# Altium PCB BMS_Slave_12S V0.1.PcbDoc (part 2 of 2)
Units mm, origin at the board's own origin, x right, y up, seen from the top; angles counter-clockwise.
Board outline 54 x 106.3 mm, 4 copper layers (Top Layer, Int1 (GND), Int2 (PWR), Bottom Layer), stack 1.56 mm thick; 199 components, 148 nets, 515 pads, 193 vias.
Unrouted connection lines stored in the file: 50.
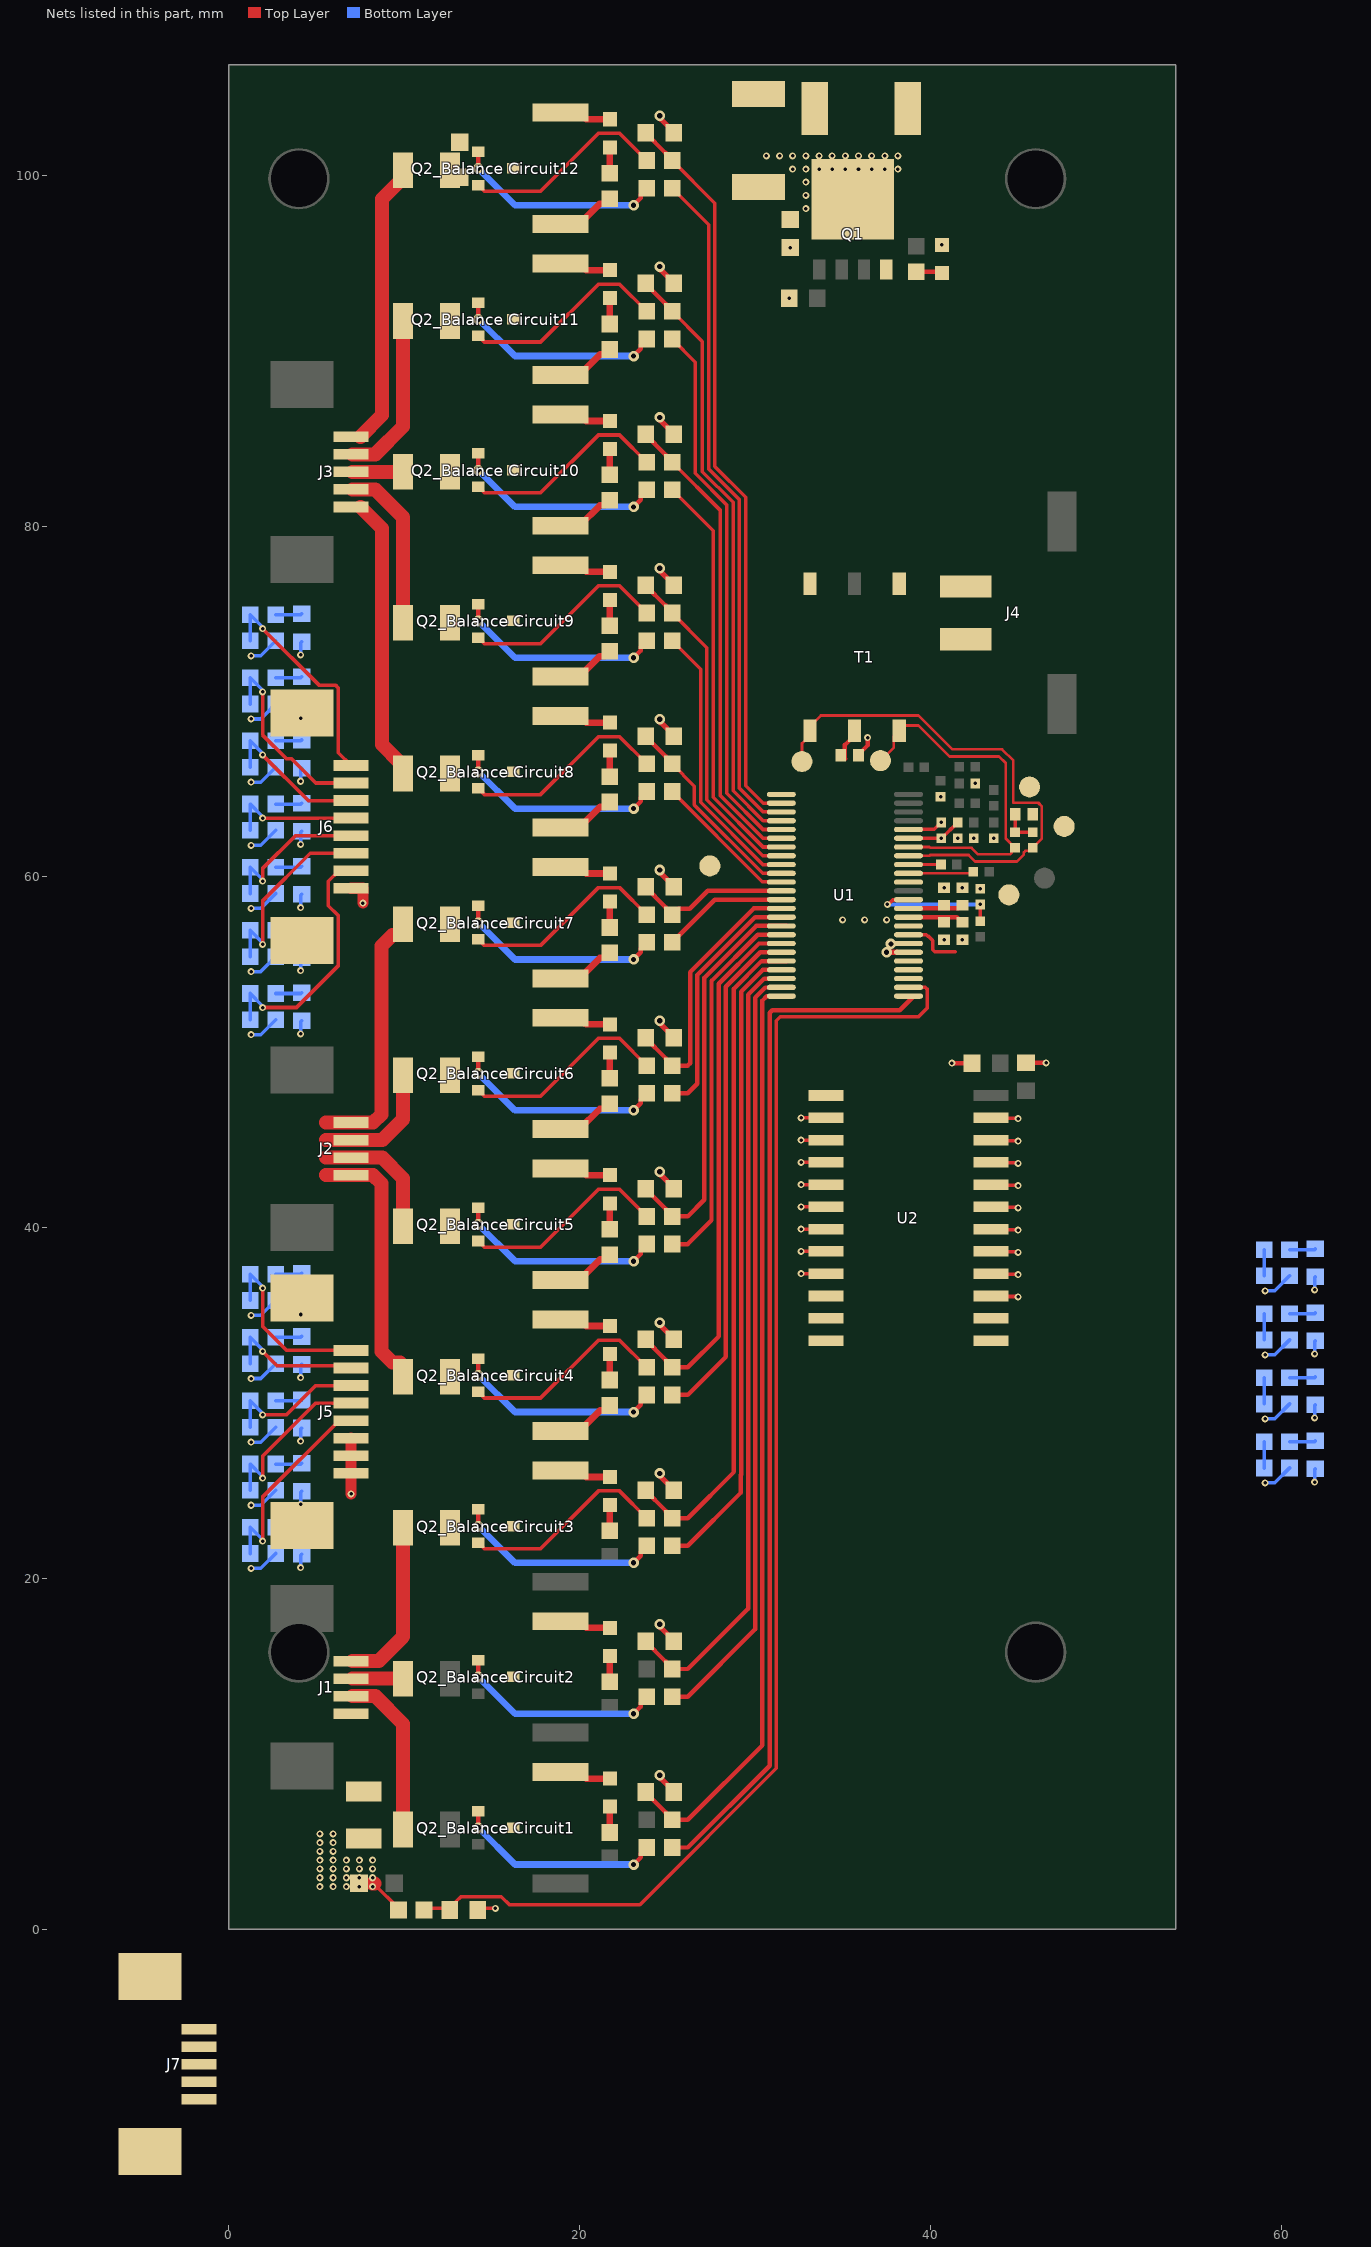
[diagram p4: the nets of this part, all layers, seen from the top]

## Via types
v1: diameter 0.4, hole 0.2, Top Layer to Bottom Layer, tented both sides, 155 vias
v2: diameter 0.6, hole 0.3, Top Layer to Bottom Layer, tented both sides, 38 vias

## Nets (pads, with @x,y where several pads share a name; then routed paths per layer and width w, separated by ;. In a path a pad name is that pad's centre, name@x,y a point inside that pad or via, vN(x,y) a via of type N, cw(c..) or ccw(c..) an arc to the next point about the centre after c; other vN are vias at no path point) (continued)
B4: "F2_Balance Circuit3.2" "Q2_Balance Circuit3.2" "R19_Balance Circuit3.1" "R21_Balance Circuit4.1" "R22_Balance Circuit4.1" | length 15.2
  Top Layer w0.203: 14.225,22.04 14.575,21.69 17.775,21.69 21.075,24.99 22.275,24.99 23.825,23.44
  Top Layer w0.381: 18.919,28.415 19.999,28.415 21.165,29.581 21.441,29.581 21.725,29.865
B5: "F2_Balance Circuit4.2" "Q2_Balance Circuit4.2" "R19_Balance Circuit4.1" "R21_Balance Circuit5.1" "R22_Balance Circuit5.1" | length 15.2
  Top Layer w0.203: 14.225,30.64 14.575,30.29 17.775,30.29 21.075,33.59 22.275,33.59 23.825,32.04
  Top Layer w0.381: 18.919,37.015 19.999,37.015 21.165,38.181 21.441,38.181 21.725,38.465
B6: "F2_Balance Circuit5.2" "Q2_Balance Circuit5.2" "R19_Balance Circuit5.1" "R21_Balance Circuit6.1" "R22_Balance Circuit6.1" | length 15.2
  Top Layer w0.203: 14.225,39.24 14.575,38.89 17.775,38.89 21.075,42.19 22.275,42.19 23.825,40.64
  Top Layer w0.381: 18.919,45.615 19.999,45.615 21.165,46.781 21.441,46.781 21.725,47.065
B7: "F2_Balance Circuit6.2" "Q2_Balance Circuit6.2" "R19_Balance Circuit6.1" "R21_Balance Circuit7.1" "R22_Balance Circuit7.1" | length 15.2
  Top Layer w0.203: 14.225,47.84 14.575,47.49 17.775,47.49 21.075,50.79 22.275,50.79 23.825,49.24
  Top Layer w0.381: 18.919,54.215 19.999,54.215 21.165,55.381 21.441,55.381 21.725,55.665
B8: "F2_Balance Circuit7.2" "Q2_Balance Circuit7.2" "R19_Balance Circuit7.1" "R21_Balance Circuit8.1" "R22_Balance Circuit8.1" | length 15.2
  Top Layer w0.203: 14.225,56.44 14.575,56.09 17.775,56.09 21.075,59.39 22.275,59.39 23.825,57.84
  Top Layer w0.381: 18.919,62.815 19.999,62.815 21.165,63.981 21.441,63.981 21.725,64.265
B9: "F2_Balance Circuit8.2" "Q2_Balance Circuit8.2" "R19_Balance Circuit8.1" "R21_Balance Circuit9.1" "R22_Balance Circuit9.1" | length 15.2
  Top Layer w0.203: 14.225,65.04 14.575,64.69 17.775,64.69 21.075,67.99 22.275,67.99 23.825,66.44
  Top Layer w0.381: 18.919,71.415 19.999,71.415 21.165,72.581 21.441,72.581 21.725,72.865
B10: "F2_Balance Circuit9.2" "Q2_Balance Circuit9.2" "R19_Balance Circuit9.1" "R21_Balance Circuit10.1" "R22_Balance Circuit10.1" | length 15.2
  Top Layer w0.203: 14.225,73.64 14.575,73.29 17.775,73.29 21.075,76.59 22.275,76.59 23.825,75.04
  Top Layer w0.381: 18.919,80.015 19.999,80.015 21.165,81.181 21.441,81.181 21.725,81.465
B11: "F2_Balance Circuit10.2" "Q2_Balance Circuit10.2" "R19_Balance Circuit10.1" "R21_Balance Circuit11.1" "R22_Balance Circuit11.1" | length 15.2
  Top Layer w0.203: 14.225,82.24 14.575,81.89 17.775,81.89 21.075,85.19 22.275,85.19 23.825,83.64
  Top Layer w0.381: 18.919,88.615 19.999,88.615 21.165,89.781 21.441,89.781 21.725,90.065
B12: "F2_Balance Circuit11.2" "Q2_Balance Circuit11.2" "R19_Balance Circuit11.1" "R21_Balance Circuit12.1" "R22_Balance Circuit12.1" | length 15.2
  Top Layer w0.203: 14.225,90.84 14.575,90.49 17.775,90.49 21.075,93.79 22.275,93.79 23.825,92.24
  Top Layer w0.381: 18.919,97.215 19.999,97.215 21.165,98.381 21.441,98.381 21.725,98.665
C0: C7.2 R9.2 U1.26 | length 77.6
  Top Layer w0.203: R9.2@11.125,1.2 12.675,1.2 12.973,1.498 12.973,1.598 13.236,1.861 15.539,1.861 16,1.4 23.439,1.4 31.213,9.174 31.213,51.8 31.432,52.019 39.319,52.019 39.829,52.529 39.829,53.581 39.71,53.7 U1.26@38.75,53.7
C1: "C8_Balance Circuit1.2" "R19_Balance Circuit1.2" U1.24 | length 52.8
  Top Layer w0.254: 23.769,7.828 23.769,7.803 24.902,6.67 24.902,6.613 25.275,6.24 26.165,6.24 30.426,10.501 30.426,52.951 30.666,53.191 31.491,53.191 U1.24@31.5,53.2
C2: "C8_Balance Circuit2.2" "R19_Balance Circuit2.2" U1.22 | length 45.5
  Top Layer w0.254: 23.769,16.428 23.769,16.403 24.902,15.27 24.902,15.213 25.275,14.84 26.165,14.84 29.613,18.288 29.613,53.288 30.525,54.2 U1.22@31.8,54.2
C3: "C8_Balance Circuit3.2" "R19_Balance Circuit3.2" U1.20 | length 38
  Top Layer w0.254: 23.769,25.028 23.769,25.003 24.902,23.87 24.902,23.813 25.275,23.44 26.165,23.44 28.8,26.075 28.8,53.624 30.376,55.2 U1.20@31.8,55.2
C4: "C8_Balance Circuit4.2" "R19_Balance Circuit4.2" U1.18 | length 30.5
  Top Layer w0.254: 23.769,33.628 23.769,33.603 24.902,32.47 24.902,32.413 25.275,32.04 26.165,32.04 27.926,33.801 27.926,53.899 30.226,56.2 U1.18@31.8,56.2
C5: "C8_Balance Circuit5.2" "R19_Balance Circuit5.2" U1.16 | length 23
  Top Layer w0.254: 23.769,42.228 23.769,42.203 24.902,41.07 24.902,41.013 25.275,40.64 26.165,40.64 27.113,41.588 27.113,54.236 30.077,57.2 U1.16@31.8,57.2
C6: "C8_Balance Circuit6.2" "R19_Balance Circuit6.2" U1.14 | length 15.5
  Top Layer w0.254: 23.769,50.828 23.769,50.803 24.902,49.67 24.902,49.613 25.275,49.24 26.165,49.24 26.3,49.375 26.3,54.573 29.927,58.2 U1.14@31.8,58.2
C7: "C8_Balance Circuit7.2" "R19_Balance Circuit7.2" U1.12 | length 9.3
  Top Layer w0.254: 23.769,59.428 23.769,59.403 24.902,58.27 24.902,58.213 25.275,57.84 25.623,58.188 26.288,58.188 27.3,59.2 U1.12@31.8,59.2
C8: "C8_Balance Circuit8.2" "R19_Balance Circuit8.2" U1.10 | length 11.9
  Top Layer w0.203: 25.275,66.44 26.544,65.171 26.544,64.099 30.443,60.2 U1.10@31.8,60.2
  Top Layer w0.254: 23.769,68.028 23.769,68.003 24.902,66.87 24.902,66.813 25.275,66.44
C9: "C8_Balance Circuit9.2" "R19_Balance Circuit9.2" U1.8 | length 19.5
  Top Layer w0.203: 25.275,75.04 27.256,73.059 27.256,64.393 30.449,61.2 U1.8@31.8,61.2
  Top Layer w0.254: 23.769,76.628 23.769,76.603 24.902,75.47 24.902,75.413 25.275,75.04
C10: "C8_Balance Circuit10.2" "R19_Balance Circuit10.2" U1.6 | length 27.1
  Top Layer w0.203: 25.275,83.64 28.03,80.885 28.03,64.625 30.454,62.2 U1.6@31.8,62.2
  Top Layer w0.254: 23.769,85.228 23.769,85.203 24.902,84.07 24.902,84.013 25.275,83.64
C11: "C8_Balance Circuit11.2" "R19_Balance Circuit11.2" U1.4 | length 34.7
  Top Layer w0.203: 25.275,92.24 27,90.515 27,83.103 28.754,81.349 28.754,81.346 28.756,81.344 28.756,64.905 30.46,63.2 U1.4@31.8,63.2
  Top Layer w0.254: 23.769,93.828 23.769,93.803 24.902,92.67 24.902,92.613 25.275,92.24
C12: "C8_Balance Circuit12.2" "R19_Balance Circuit12.2" U1.2 | length 42.3
  Top Layer w0.203: 25.275,100.84 27.711,98.404 27.711,83.397 29.467,81.642 29.467,65.199 30.466,64.2 U1.2@31.8,64.2
  Top Layer w0.254: 23.769,102.428 23.769,102.403 24.902,101.27 24.902,101.213 25.275,100.84
Drive: Q1.4 U1.38
GND: "C8_Balance Circuit1.1" "C8_Balance Circuit2.1" "C8_Balance Circuit3.1" "C8_Balance Circuit4.1" "C8_Balance Circuit5.1" "C8_Balance Circuit6.1" "C8_Balance Circuit7.1" "C8_Balance Circuit8.1" "C8_Balance Circuit9.1" "C8_Balance Circuit10.1" "C8_Balance Circuit11.1" "C8_Balance Circuit12.1" "C13_NTC Sense1.1" "C13_NTC Sense2.1" "C13_NTC Sense3.1" "C13_NTC Sense4.1" "C13_NTC Sense5.1" "C13_NTC Sense6.1" "C13_NTC Sense7.1" "C13_NTC Sense8.1" "C13_NTC Sense9.1" "C13_NTC Sense10.1" "C13_NTC Sense11.1" "C13_NTC Sense12.1" "C13_NTC Sense13.1" "C13_NTC Sense14.1" "C13_NTC Sense15.1" "C13_NTC Sense16.1" C1.1 C2.1 C3.1 C4.1 C5.1 C6.1 C7.1 C9.1 C10.1 C11.2 C12.1 D1.1 F1.2 J5.6 J5.7 J5.8 J5.S1 J5.S2 J6.8 J6.S1 J6.S2 J7.5 J7.S1 J7.S2 NT1.1 R6.1 R7.2 R9.1 R14.1 R15.1 R16.1 R17.1 U1.30 U1.31 U2.12 U2.15 | length 42.7
  Top Layer w0.203: v1@8.2,2.615 cw(c8.2,2.47) 8.302,2.573 R9.1@9.675,1.2 ; C7.1@14.2,1.2 v1(15.2,1.2) ; U2.15@43.45,36.105 43.478,36.077 44.973,36.077 v1(45,36.05)
  Top Layer w0.254: C10.1@35.9,66.925 35.9,66.975 36.416,67.491 v1(36.416,67.941) ; v1(41.225,49.375) C12.1@42.375,49.375 ; C11.2@45.45,49.4 v1(46.6,49.4)
  Top Layer w0.305: v2(24.575,8.79) 24.631,8.734 24.631,8.591 25.369,7.853 25.369,7.828 ; v2(24.575,17.39) 24.631,17.334 24.631,17.191 25.369,16.453 25.369,16.428 ; v2(24.575,25.99) 24.631,25.934 24.631,25.791 25.369,25.053 25.369,25.028 ; v2(24.575,34.59) 24.631,34.534 24.631,34.391 25.369,33.653 25.369,33.628 ; v2(24.575,43.19) 24.631,43.134 24.631,42.991 25.369,42.253 25.369,42.228 ; v2(24.575,51.79) 24.631,51.734 24.631,51.591 25.369,50.853 25.369,50.828 ; v2(24.575,60.39) 24.631,60.334 24.631,60.191 25.369,59.453 25.369,59.428 ; v2(24.575,68.99) 24.631,68.934 24.631,68.791 25.369,68.053 25.369,68.028 ; v2(24.575,77.59) 24.631,77.534 24.631,77.391 25.369,76.653 25.369,76.628 ; v2(24.575,86.19) 24.631,86.134 24.631,85.991 25.369,85.253 25.369,85.228 ; v2(24.575,94.79) 24.631,94.734 24.631,94.591 25.369,93.853 25.369,93.828 ; v2(24.575,103.39) 24.631,103.334 24.631,103.191 25.369,102.453 25.369,102.428 ; v2(37.5,55.7) U1.30@38.077,55.7 ; v2(37.75,56.175) 37.775,56.2 U1.31@39.05,56.2
  Top Layer w0.635: v1(6.975,24.825) J5.8@6.975,26 J5.7@6.975,27 J5.6@6.975,28 ; J6.8@6.975,59.35 7.638,59.35 7.65,59.338 v1(7.65,58.5)
  Top Layer w0.8: v1@8.2,2.615 8.302,2.615
  Bottom Layer w0.203: v1(4.1,20.625) 4.1,21.325 4.15,21.375 ; v1(4.1,24.225) 4.1,24.925 4.15,24.975 ; v1(4.1,27.825) 4.1,28.525 4.15,28.575 ; v1(4.1,31.45) 4.1,32.15 4.15,32.2 ; v1(4.1,35.05) 4.1,35.75 4.15,35.8 ; v1(4.1,51.05) 4.1,51.75 4.15,51.8 ; v1(4.1,54.65) 4.1,55.35 4.15,55.4 ; v1(4.1,58.25) 4.1,58.95 4.15,59 ; v1(4.1,61.85) 4.1,62.55 4.15,62.6 ; v1(4.1,65.45) 4.1,66.15 4.15,66.2 ; v1(4.1,69.05) 4.1,69.75 4.15,69.8 ; v1(4.1,72.65) 4.1,73.35 4.15,73.4 ; v1(61.9,25.5) 61.9,26.2 61.95,26.25 ; v1(61.9,29.15) 61.9,29.85 61.95,29.9 ; v1(61.9,32.8) 61.9,33.5 61.95,33.55 ; v1(61.9,36.45) 61.9,37.15 61.95,37.2
  other v1: 5.2,2.44 5.95,2.44 6.7,2.44 7.45,2.44 8.2,2.44 5.2,2.94 5.95,2.94 6.7,2.94 7.45,2.94 8.2,2.94 5.2,3.44 5.95,3.44 6.7,3.44 7.45,3.44 8.2,3.44 5.2,3.94 5.95,3.94 6.7,3.94 7.45,3.94 8.2,3.94 5.2,4.44 5.95,4.44 5.2,4.94 5.95,4.94 5.2,5.44 5.95,5.44 40.775,56.425 41.825,56.425 42.85,59.325 40.775,59.375 41.825,59.375 41.55,62.2 42.475,62.2 43.617,62.2 40.575,64.575 42.55,65.325 31.95,92.975 32,95.875 40.65,96.025
GPIO.1: U1.27 U2.10
GPIO.2: U1.28 U2.11
GPIO.3: U1.29 U2.14
GPIO.4: U1.32 U2.13 | length 3.1
  Top Layer w0.203: U1.32@39.05,56.7 39.751,56.7 39.847,56.604 39.892,56.604 40.129,56.367 40.129,55.84 40.248,55.721 41.419,55.721
IBIAS: R8.1 TP4.1 U1.44 | length 1.8
  Top Layer w0.203: U1.44@39.05,62.7 39.069,62.719 40.219,62.719 v1(40.625,63.125)
ICMP: R7.1 R8.2 TP5.1 U1.43 | length 2.9
  Top Layer w0.203: U1.43@39.05,62.2 39.063,62.213 R8.2@40.612,62.213 ; v1(40.625,62.2) 40.798,62.373 40.823,62.373 41.021,62.571 41.021,62.58 41.17,62.729 41.179,62.729 R7.1@41.55,63.1
ISOMD: R18.1 U1.40 | length 1.5
  Top Layer w0.152: U1.40@39.05,60.7 R18.1@40.6,60.7
isoSPI._N: R24.2 T1.4 TP7.1 U1.41 | length 29.2
  Top Layer w0.152: TP7.1@32.675,66.575 32.675,67.61 33.135,68.07 T1.4@33.135,68.325 33.135,68.58 33.755,69.2 39.325,69.2 41.256,67.269 44.081,67.269 44.725,66.625 44.725,64.225 46.148,64.225 46.355,64.018 46.355,62.18 R24.2@45.825,61.65 45.664,61.489 45.418,61.489 45.329,61.399 45.329,61.28 44.923,60.875 42.55,60.875 42.178,61.247 39.998,61.247 39.951,61.2 U1.41@39.05,61.2
isoSPI._P: R23.2 T1.6 TP6.1 U1.42 | length 20.1
  Top Layer w0.152: TP6.1@37.15,66.625 37.911,67.386 37.911,68.021 T1.6@38.215,68.325 ; T1.6@38.425,68.625 39.325,68.625 41.087,66.863 43.913,66.863 44.295,66.48 44.295,62.18 R23.2@44.825,61.65 44.626,61.451 44.626,61.371 44.537,61.281 42.718,61.281 42.347,61.653 39.998,61.653 39.951,61.7 U1.42@39.05,61.7
NetC1_2: C1.2 Q1.5 R1.1
  other v1: 32.9,98.1 32.9,98.85 32.9,99.6 32.15,100.35 32.9,100.35 33.65,100.35 34.4,100.35 35.15,100.35 35.9,100.35 36.65,100.35 37.4,100.35 38.15,100.35 30.65,101.1 31.4,101.1 32.15,101.1 32.9,101.1 33.65,101.1 34.4,101.1 35.15,101.1 35.9,101.1 36.65,101.1 37.4,101.1 38.15,101.1
NetC9_2: C9.2 R23.1 R24.1 | length 2
  Top Layer w0.203: C9.2@44.625,63.575 C9.2@44.638,63.562 ; C9.2@44.825,63.575 R23.1@44.825,62.55 R24.1@45.825,62.55
NetC10_2: C10.2 T1.5 | length 1.8
  Top Layer w0.254: C10.2@35.133,66.74 35.125,66.74 35.125,67.52 35.675,68.07 T1.5@35.675,68.325
NetD1_2: D1.2 R4.1 | length 1.5
  Top Layer w0.254: R4.1@39.2,94.5 40.575,94.5 D1.2@40.65,94.425
"NetD2_Balance Circuit1_1": "D2_Balance Circuit1.1" "R22_Balance Circuit1.2" | length 1.5
  Top Layer w0.381: 21.725,5.515 21.725,6.99
"NetD2_Balance Circuit1_2": "D2_Balance Circuit1.2" "Q2_Balance Circuit1.3" "R21_Balance Circuit1.2" | length 3
  Top Layer w0.381: 18.919,8.965 19.999,8.965 20.374,8.59 21.725,8.59
"NetD2_Balance Circuit2_1": "D2_Balance Circuit2.1" "R22_Balance Circuit2.2" | length 1.5
  Top Layer w0.381: 21.725,14.115 21.725,15.59
"NetD2_Balance Circuit2_2": "D2_Balance Circuit2.2" "Q2_Balance Circuit2.3" "R21_Balance Circuit2.2" | length 3
  Top Layer w0.381: 18.919,17.565 19.999,17.565 20.374,17.19 21.725,17.19
"NetD2_Balance Circuit3_1": "D2_Balance Circuit3.1" "R22_Balance Circuit3.2" | length 1.5
  Top Layer w0.381: 21.725,22.715 21.725,24.19
"NetD2_Balance Circuit3_2": "D2_Balance Circuit3.2" "Q2_Balance Circuit3.3" "R21_Balance Circuit3.2" | length 3
  Top Layer w0.381: 18.919,26.165 19.999,26.165 20.374,25.79 21.725,25.79
"NetD2_Balance Circuit4_1": "D2_Balance Circuit4.1" "R22_Balance Circuit4.2" | length 1.5
  Top Layer w0.381: 21.725,31.315 21.725,32.79
"NetD2_Balance Circuit4_2": "D2_Balance Circuit4.2" "Q2_Balance Circuit4.3" "R21_Balance Circuit4.2" | length 3
  Top Layer w0.381: 18.919,34.765 19.999,34.765 20.374,34.39 21.725,34.39
"NetD2_Balance Circuit5_1": "D2_Balance Circuit5.1" "R22_Balance Circuit5.2" | length 1.5
  Top Layer w0.381: 21.725,39.915 21.725,41.39
"NetD2_Balance Circuit5_2": "D2_Balance Circuit5.2" "Q2_Balance Circuit5.3" "R21_Balance Circuit5.2" | length 3
  Top Layer w0.381: 18.919,43.365 19.999,43.365 20.374,42.99 21.725,42.99
"NetD2_Balance Circuit6_1": "D2_Balance Circuit6.1" "R22_Balance Circuit6.2" | length 1.5
  Top Layer w0.381: 21.725,48.515 21.725,49.99
"NetD2_Balance Circuit6_2": "D2_Balance Circuit6.2" "Q2_Balance Circuit6.3" "R21_Balance Circuit6.2" | length 3
  Top Layer w0.381: 18.919,51.965 19.999,51.965 20.374,51.59 21.725,51.59
"NetD2_Balance Circuit7_1": "D2_Balance Circuit7.1" "R22_Balance Circuit7.2" | length 1.5
  Top Layer w0.381: 21.725,57.115 21.725,58.59
"NetD2_Balance Circuit7_2": "D2_Balance Circuit7.2" "Q2_Balance Circuit7.3" "R21_Balance Circuit7.2" | length 3
  Top Layer w0.381: 18.919,60.565 19.999,60.565 20.374,60.19 21.725,60.19
"NetD2_Balance Circuit8_1": "D2_Balance Circuit8.1" "R22_Balance Circuit8.2" | length 1.5
  Top Layer w0.381: 21.725,65.715 21.725,67.19
"NetD2_Balance Circuit8_2": "D2_Balance Circuit8.2" "Q2_Balance Circuit8.3" "R21_Balance Circuit8.2" | length 3
  Top Layer w0.381: 18.919,69.165 19.999,69.165 20.374,68.79 21.725,68.79
"NetD2_Balance Circuit9_1": "D2_Balance Circuit9.1" "R22_Balance Circuit9.2" | length 1.5
  Top Layer w0.381: 21.725,74.315 21.725,75.79
"NetD2_Balance Circuit9_2": "D2_Balance Circuit9.2" "Q2_Balance Circuit9.3" "R21_Balance Circuit9.2" | length 3
  Top Layer w0.381: 18.919,77.765 19.999,77.765 20.374,77.39 21.725,77.39
"NetD2_Balance Circuit10_1": "D2_Balance Circuit10.1" "R22_Balance Circuit10.2" | length 1.5
  Top Layer w0.381: 21.725,82.915 21.725,84.39
"NetD2_Balance Circuit10_2": "D2_Balance Circuit10.2" "Q2_Balance Circuit10.3" "R21_Balance Circuit10.2" | length 3
  Top Layer w0.381: 18.919,86.365 19.999,86.365 20.374,85.99 21.725,85.99
"NetD2_Balance Circuit11_1": "D2_Balance Circuit11.1" "R22_Balance Circuit11.2" | length 1.5
  Top Layer w0.381: 21.725,91.515 21.725,92.99
"NetD2_Balance Circuit11_2": "D2_Balance Circuit11.2" "Q2_Balance Circuit11.3" "R21_Balance Circuit11.2" | length 3
  Top Layer w0.381: 18.919,94.965 19.999,94.965 20.374,94.59 21.725,94.59
"NetD2_Balance Circuit12_1": "D2_Balance Circuit12.1" "R22_Balance Circuit12.2" | length 1.5
  Top Layer w0.381: 21.725,100.115 21.725,101.59
"NetD2_Balance Circuit12_2": "D2_Balance Circuit12.2" "Q2_Balance Circuit12.3" "R21_Balance Circuit12.2" | length 3
  Top Layer w0.381: 18.919,103.565 19.999,103.565 20.374,103.19 21.725,103.19
"NetQ2_Balance Circuit1_1": "Q2_Balance Circuit1.1" "R20_Balance Circuit1.1" | length 21.6
  Top Layer w0.254: v2(14.225,5.79) 14.225,6.74 ; v2(23.075,3.69) 23.484,4.099 23.484,4.324 23.825,4.665
  Bottom Layer w0.381: 16.325,3.69 23.018,3.69 16.325,3.69 ; 16.325,3.69 v2(14.225,5.79) 16.325,3.69
"NetQ2_Balance Circuit2_1": "Q2_Balance Circuit2.1" "R20_Balance Circuit2.1" | length 21.6
  Top Layer w0.254: v2(14.225,14.39) 14.225,15.34 ; v2(23.075,12.29) 23.484,12.699 23.484,12.924 23.825,13.265
  Bottom Layer w0.381: 16.325,12.29 v2(14.225,14.39) 16.325,12.29 ; 16.325,12.29 23.018,12.29 16.325,12.29
"NetQ2_Balance Circuit3_1": "Q2_Balance Circuit3.1" "R20_Balance Circuit3.1" | length 21.6
  Top Layer w0.254: v2(14.225,22.99) 14.225,23.94 ; v2(23.075,20.89) 23.484,21.299 23.484,21.524 23.825,21.865
  Bottom Layer w0.381: 16.325,20.89 v2(14.225,22.99) 16.325,20.89 ; 16.325,20.89 23.018,20.89 16.325,20.89
"NetQ2_Balance Circuit4_1": "Q2_Balance Circuit4.1" "R20_Balance Circuit4.1" | length 21.6
  Top Layer w0.254: v2(14.225,31.59) 14.225,32.54 ; v2(23.075,29.49) 23.484,29.899 23.484,30.124 23.825,30.465
  Bottom Layer w0.381: 16.325,29.49 23.018,29.49 16.325,29.49 ; 16.325,29.49 v2(14.225,31.59) 16.325,29.49
"NetQ2_Balance Circuit5_1": "Q2_Balance Circuit5.1" "R20_Balance Circuit5.1" | length 21.6
  Top Layer w0.254: v2(14.225,40.19) 14.225,41.14 ; v2(23.075,38.09) 23.484,38.499 23.484,38.724 23.825,39.065
  Bottom Layer w0.381: 16.325,38.09 23.018,38.09 16.325,38.09 ; 16.325,38.09 v2(14.225,40.19) 16.325,38.09
"NetQ2_Balance Circuit6_1": "Q2_Balance Circuit6.1" "R20_Balance Circuit6.1" | length 21.6
  Top Layer w0.254: v2(14.225,48.79) 14.225,49.74 ; v2(23.075,46.69) 23.484,47.099 23.484,47.324 23.825,47.665
  Bottom Layer w0.381: 16.325,46.69 23.018,46.69 16.325,46.69 ; 16.325,46.69 v2(14.225,48.79) 16.325,46.69
"NetQ2_Balance Circuit7_1": "Q2_Balance Circuit7.1" "R20_Balance Circuit7.1" | length 21.6
  Top Layer w0.254: v2(14.225,57.39) 14.225,58.34 ; v2(23.075,55.29) 23.484,55.699 23.484,55.924 23.825,56.265
  Bottom Layer w0.381: 16.325,55.29 23.018,55.29 16.325,55.29 ; 16.325,55.29 v2(14.225,57.39) 16.325,55.29
"NetQ2_Balance Circuit8_1": "Q2_Balance Circuit8.1" "R20_Balance Circuit8.1" | length 21.6
  Top Layer w0.254: v2(14.225,65.99) 14.225,66.94 ; v2(23.075,63.89) 23.484,64.299 23.484,64.524 23.825,64.865
  Bottom Layer w0.381: 16.325,63.89 23.018,63.89 16.325,63.89 ; 16.325,63.89 v2(14.225,65.99) 16.325,63.89
"NetQ2_Balance Circuit9_1": "Q2_Balance Circuit9.1" "R20_Balance Circuit9.1" | length 21.6
  Top Layer w0.254: v2(14.225,74.59) 14.225,75.54 ; v2(23.075,72.49) 23.484,72.899 23.484,73.124 23.825,73.465
  Bottom Layer w0.381: 16.325,72.49 v2(14.225,74.59) 16.325,72.49 ; 16.325,72.49 23.018,72.49 16.325,72.49
"NetQ2_Balance Circuit10_1": "Q2_Balance Circuit10.1" "R20_Balance Circuit10.1" | length 21.6
  Top Layer w0.254: v2(14.225,83.19) 14.225,84.14 ; v2(23.075,81.09) 23.484,81.499 23.484,81.724 23.825,82.065
  Bottom Layer w0.381: 16.325,81.09 v2(14.225,83.19) 16.325,81.09 ; 16.325,81.09 23.018,81.09 16.325,81.09
"NetQ2_Balance Circuit11_1": "Q2_Balance Circuit11.1" "R20_Balance Circuit11.1" | length 21.6
  Top Layer w0.254: v2(14.225,91.79) 14.225,92.74 ; v2(23.075,89.69) 23.484,90.099 23.484,90.324 23.825,90.665
  Bottom Layer w0.381: 16.325,89.69 v2(14.225,91.79) 16.325,89.69 ; 16.325,89.69 23.018,89.69 16.325,89.69
"NetQ2_Balance Circuit12_1": "Q2_Balance Circuit12.1" "R20_Balance Circuit12.1" | length 21.6
  Top Layer w0.254: v2(14.225,100.39) 14.225,101.34 ; v2(23.075,98.29) 23.484,98.699 23.484,98.924 23.825,99.265
  Bottom Layer w0.381: 16.325,98.29 23.018,98.29 16.325,98.29 ; 16.325,98.29 v2(14.225,100.39) 16.325,98.29
NetR3_1: R3.1 U1.1
NetR5_1: R5.1 R6.2 U1.36 | length 7.9
  Top Layer w0.203: v1(37.55,58.425) 37.603,58.425 37.86,58.681 39.031,58.681 U1.36@39.05,58.7 ; R5.1@42.85,57.475 v1(42.85,58.425)
  Bottom Layer w0.203: v1(37.55,58.425) 42.8,58.425 v1@42.838,58.463
NetU1_33: U1.33 U2.1
NTC1: "R25_NTC Sense1.1" "R26_NTC Sense1.2" J5.5 | length 12
  Top Layer w0.203: v1(1.925,22.125) 1.925,24.645 6.28,29 J5.5@6.975,29
  Bottom Layer w0.203: 1.225,21.425 1.225,22.925 1.887,22.263 1.887,22.163 v1(1.925,22.125)
NTC2: "R25_NTC Sense2.1" "R26_NTC Sense2.2" J5.4 | length 10.1
  Top Layer w0.203: v1(1.925,25.725) 1.925,26.975 4.95,30 J5.4@6.975,30
  Bottom Layer w0.203: 1.225,25.025 1.225,26.525 1.887,25.863 1.887,25.763 v1(1.925,25.725)
NTC3: "R25_NTC Sense3.1" "R26_NTC Sense3.2" J5.3 | length 8.3
  Top Layer w0.203: v1(1.925,29.325) 3.275,29.325 4.95,31 J5.3@6.975,31
  Bottom Layer w0.203: 1.225,28.625 1.225,30.125 1.887,29.463 1.887,29.363 v1(1.925,29.325)
NTC4: "R25_NTC Sense4.1" "R26_NTC Sense4.2" J5.2 | length 8
  Top Layer w0.203: v1(1.925,32.95) 2.75,32.125 6.85,32.125 J5.2@6.975,32
  Bottom Layer w0.203: 1.225,32.25 1.225,33.75 1.887,33.088 1.887,32.988 v1(1.925,32.95)
NTC5: "R25_NTC Sense5.1" "R26_NTC Sense5.2" J5.1 | length 10.4
  Top Layer w0.203: v1(1.925,36.55) 1.925,34.375 3.3,33 J5.1@6.975,33
  Bottom Layer w0.203: 1.225,35.85 1.225,37.35 1.887,36.688 1.887,36.588 v1(1.925,36.55)
NTC6: "R25_NTC Sense6.1" "R26_NTC Sense6.2" J6.7 | length 14.5
  Top Layer w0.203: v1(1.925,52.55) 3.864,52.55 6.229,54.915 6.229,57.805 5.675,58.359 5.675,59.745 6.28,60.35 J6.7@6.975,60.35
  Bottom Layer w0.203: 1.225,51.85 1.225,53.35 1.887,52.688 1.887,52.588 v1(1.925,52.55)
NTC7: "R25_NTC Sense7.1" "R26_NTC Sense7.2" J6.6 | length 11.2
  Top Layer w0.203: v1(1.925,56.15) 1.925,58.625 4.65,61.35 J6.6@6.975,61.35
  Bottom Layer w0.203: 1.225,55.45 1.225,56.95 1.887,56.288 1.887,56.188 v1(1.925,56.15)
NTC8: "R25_NTC Sense8.1" "R26_NTC Sense8.2" J6.5 | length 9.1
  Top Layer w0.203: v1(1.925,59.75) 1.925,60.475 3.8,62.35 J6.5@6.975,62.35
  Bottom Layer w0.203: 1.225,59.05 1.225,60.55 1.887,59.888 1.887,59.788 v1(1.925,59.75)
NTC9: "R25_NTC Sense9.1" "R26_NTC Sense9.2" J6.4 | length 7.6
  Top Layer w0.203: v1(1.925,63.35) J6.4@6.975,63.35
  Bottom Layer w0.203: 1.225,62.65 1.225,64.15 1.887,63.488 1.887,63.388 v1(1.925,63.35)
NTC10: "R25_NTC Sense10.1" "R26_NTC Sense10.2" J6.3 | length 8.7
  Top Layer w0.203: v1(1.925,66.95) 4.525,64.35 J6.3@6.975,64.35
  Bottom Layer w0.203: 1.225,66.25 1.225,67.75 1.887,67.088 1.887,66.988 v1(1.925,66.95)
NTC11: "R25_NTC Sense11.1" "R26_NTC Sense11.2" J6.2 | length 11.2
  Top Layer w0.203: v1(1.925,70.55) 1.925,68.091 3.292,66.724 3.576,66.724 4.95,65.35 J6.2@6.975,65.35
  Bottom Layer w0.203: 1.225,69.85 1.225,71.35 1.887,70.688 1.887,70.588 v1(1.925,70.55)
NTC12: "R25_NTC Sense12.1" "R26_NTC Sense12.2" J6.1 | length 13
  Top Layer w0.203: v1(1.925,74.15) 5.141,70.934 6.08,70.934 6.25,70.764 6.25,67.075 J6.1@6.975,66.35
  Bottom Layer w0.203: 1.225,73.45 1.225,74.95 1.887,74.288 1.887,74.188 v1(1.925,74.15)
NTC13: "R25_NTC Sense13.1" "R26_NTC Sense13.2" J7.4 | length 1.5
  Bottom Layer w0.203: 59.025,26.3 59.025,27.8
NTC14: "R25_NTC Sense14.1" "R26_NTC Sense14.2" J7.3 | length 1.5
  Bottom Layer w0.203: 59.025,29.95 59.025,31.45
NTC15: "R25_NTC Sense15.1" "R26_NTC Sense15.2" J7.2 | length 1.5
  Bottom Layer w0.203: 59.025,33.6 59.025,35.1
NTC16: "R25_NTC Sense16.1" "R26_NTC Sense16.2" J7.1 | length 1.5
  Bottom Layer w0.203: 59.025,37.25 59.025,38.75
Out1: "C13_NTC Sense1.2" "R26_NTC Sense1.1" U2.9 | length 2.9
  Top Layer w0.203: v1(32.628,37.375) U2.9@34.05,37.375
  Bottom Layer w0.203: 2.675,22.925 4.1,22.925 4.15,22.975
Out2: "C13_NTC Sense2.2" "R26_NTC Sense2.1" U2.8 | length 2.9
  Top Layer w0.203: v1(32.628,38.645) U2.8@34.05,38.645
  Bottom Layer w0.203: 2.675,26.525 4.1,26.525 4.15,26.575
Out3: "C13_NTC Sense3.2" "R26_NTC Sense3.1" U2.7 | length 2.9
  Top Layer w0.203: v1(32.628,39.915) U2.7@34.05,39.915
  Bottom Layer w0.203: 2.675,30.125 4.1,30.125 4.15,30.175
Out4: "C13_NTC Sense4.2" "R26_NTC Sense4.1" U2.6 | length 2.9
  Top Layer w0.203: v1(32.628,41.185) U2.6@34.05,41.185
  Bottom Layer w0.203: 2.675,33.75 4.1,33.75 4.15,33.8
Out5: "C13_NTC Sense5.2" "R26_NTC Sense5.1" U2.5 | length 2.9
  Top Layer w0.203: v1(32.628,42.455) U2.5@34.05,42.455
  Bottom Layer w0.203: 2.675,37.35 4.1,37.35 4.15,37.4
Out6: "C13_NTC Sense6.2" "R26_NTC Sense6.1" U2.4 | length 2.9
  Top Layer w0.203: v1(32.628,43.725) U2.4@34.05,43.725
  Bottom Layer w0.203: 2.675,53.35 4.1,53.35 4.15,53.4
Out7: "C13_NTC Sense7.2" "R26_NTC Sense7.1" U2.3 | length 2.9
  Top Layer w0.203: v1(32.628,44.995) U2.3@34.05,44.995
  Bottom Layer w0.203: 2.675,56.95 4.1,56.95 4.15,57
Out8: "C13_NTC Sense8.2" "R26_NTC Sense8.1" U2.2 | length 2.9
  Top Layer w0.203: v1(32.628,46.265) U2.2@34.05,46.265
  Bottom Layer w0.203: 2.675,60.55 4.1,60.55 4.15,60.6
Out9: "C13_NTC Sense9.2" "R26_NTC Sense9.1" U2.23 | length 3.1
  Top Layer w0.203: U2.23@43.45,46.265 43.478,46.237 44.973,46.237 v1(45,46.21)
  Bottom Layer w0.203: 2.675,64.15 4.1,64.15 4.15,64.2
Out10: "C13_NTC Sense10.2" "R26_NTC Sense10.1" U2.22 | length 3.1
  Top Layer w0.203: U2.22@43.45,44.995 43.478,44.967 44.973,44.967 v1(45,44.94)
  Bottom Layer w0.203: 2.675,67.75 4.1,67.75 4.15,67.8
Out11: "C13_NTC Sense11.2" "R26_NTC Sense11.1" U2.21 | length 3.1
  Top Layer w0.203: U2.21@43.45,43.725 43.478,43.697 44.973,43.697 v1(45,43.67)
  Bottom Layer w0.203: 2.675,71.35 4.1,71.35 4.15,71.4
Out12: "C13_NTC Sense12.2" "R26_NTC Sense12.1" U2.20 | length 3.1
  Top Layer w0.203: U2.20@43.45,42.455 43.478,42.427 44.973,42.427 v1(45,42.4)
  Bottom Layer w0.203: 2.675,74.95 4.1,74.95 4.15,75
Out13: "C13_NTC Sense13.2" "R26_NTC Sense13.1" U2.19 | length 3.1
  Top Layer w0.203: U2.19@43.45,41.185 43.478,41.157 44.973,41.157 v1(45,41.13)
  Bottom Layer w0.203: 60.475,27.8 61.9,27.8 61.95,27.85
Out14: "C13_NTC Sense14.2" "R26_NTC Sense14.1" U2.18 | length 3.1
  Top Layer w0.203: U2.18@43.45,39.915 43.478,39.887 44.973,39.887 v1(45,39.86)
  Bottom Layer w0.203: 60.475,31.45 61.9,31.45 61.95,31.5
Out15: "C13_NTC Sense15.2" "R26_NTC Sense15.1" U2.17 | length 3.1
  Top Layer w0.203: U2.17@43.45,38.645 43.478,38.617 44.973,38.617 v1(45,38.59)
  Bottom Layer w0.203: 60.475,35.1 61.9,35.1 61.95,35.15
Out16: "C13_NTC Sense16.2" "R26_NTC Sense16.1" U2.16 | length 3.1
  Top Layer w0.203: U2.16@43.45,37.375 43.478,37.347 44.973,37.347 v1(45,37.32)
  Bottom Layer w0.203: 60.475,38.75 61.9,38.75 61.95,38.8
PORTA_N: J4.1 T1.3
PORTA_P: J4.2 T1.1
S1: "R20_Balance Circuit1.2" U1.25 | length 59
  Top Layer w0.254: 25.275,4.665 26.165,4.665 30.832,9.332 30.832,52.251 30.981,52.4 38.25,52.4 U1.25@39.05,53.2
S2: "R20_Balance Circuit2.2" U1.23 | length 44.4
  Top Layer w0.254: 25.275,13.265 26.165,13.265 30.019,17.119 30.019,53.119 30.591,53.691 31.791,53.691 U1.23@31.8,53.7
S3: "R20_Balance Circuit3.2" U1.21 | length 36.8
  Top Layer w0.254: 25.275,21.865 26.165,21.865 29.2,24.9 29.2,25.9 29.206,25.907 29.206,53.456 30.451,54.7 U1.21@31.8,54.7
S4: "R20_Balance Circuit4.2" U1.19 | length 29.3
  Top Layer w0.254: 25.275,30.465 26.165,30.465 28.332,32.632 28.332,53.731 30.301,55.7 U1.19@31.8,55.7
S5: "R20_Balance Circuit5.2" U1.17 | length 21.8
  Top Layer w0.254: 25.275,39.065 26.165,39.065 27.519,40.419 27.519,54.068 30.152,56.7 U1.17@31.8,56.7
S6: "R20_Balance Circuit6.2" U1.15 | length 14.3
  Top Layer w0.254: 25.275,47.665 26.165,47.665 26.706,48.206 26.706,54.404 30.002,57.7 U1.15@31.8,57.7
S7: "R20_Balance Circuit7.2" U1.13 | length 7.5
  Top Layer w0.254: 25.275,56.265 27.71,58.7 U1.13@31.8,58.7
S8: "R20_Balance Circuit8.2" U1.11 | length 8.7
  Top Layer w0.203: 25.276,64.864 30.422,59.719 31.781,59.719 U1.11@31.8,59.7
S9: "R20_Balance Circuit9.2" U1.9 | length 16.3
  Top Layer w0.203: 25.275,73.465 26.9,71.84 26.9,64.246 30.446,60.7 U1.9@31.8,60.7
S10: "R20_Balance Circuit10.2" U1.7 | length 23.9
  Top Layer w0.203: 25.275,82.065 27.611,79.729 27.611,64.54 30.452,61.7 U1.7@31.8,61.7
S11: "R20_Balance Circuit11.2" U1.5 | length 31.5
  Top Layer w0.203: 25.275,90.665 26.6,89.34 26.6,83 28.398,81.202 28.398,64.759 30.457,62.7 U1.5@31.8,62.7
S12: "R20_Balance Circuit12.2" U1.3 | length 39.1
  Top Layer w0.203: 25.275,99.265 27.356,97.184 27.356,83.25 29.111,81.495 29.111,65.052 30.463,63.7 U1.3@31.8,63.7
T12: "F2_Balance Circuit12.2" "Q2_Balance Circuit12.2" "R19_Balance Circuit12.1" NT2.1 | length 11.8
  Top Layer w0.203: 14.225,99.44 14.575,99.09 17.775,99.09 21.075,102.39 22.275,102.39 23.825,100.84
VBat: NT2.2 R1.2 R3.2
Vc0: F1.1 J1.4
Vc1: "F2_Balance Circuit1.1" J1.3 | length 9.6
  Top Layer w0.8: J1.3@7.05,13.29 8.35,13.29 9.94,11.7 9.94,5.69
Vc2: "F2_Balance Circuit2.1" J1.2 | length 2.9
  Top Layer w0.8: J1.2@7.05,14.29 9.94,14.29
Vc3: "F2_Balance Circuit3.1" J1.1 | length 9.7
  Top Layer w0.8: J1.1@7.05,15.29 8.55,15.29 9.94,16.68 9.94,22.89
Vc4: "F2_Balance Circuit4.1" J2.4 | length 14.9
  Top Layer w0.8: 5.55,42.99 8.231,42.99 8.7,42.521 8.7,32.93 9.325,32.305 9.77,32.305 9.94,32.135 9.94,31.69
Vc5: "F2_Balance Circuit5.1" J2.3 | length 7.4
  Top Layer w0.8: 5.55,43.99 8.75,43.99 9.94,42.8 9.94,40.29
Vc6: "F2_Balance Circuit6.1" J2.2 | length 7.4
  Top Layer w0.8: 5.55,44.99 8.75,44.99 9.94,46.18 9.94,48.69
Vc7: "F2_Balance Circuit7.1" J2.1 | length 14.9
  Top Layer w0.8: 5.55,45.99 8.231,45.99 8.7,46.459 8.7,56.05 9.325,56.675 9.77,56.675 9.94,56.845 9.94,57.29
Vc8: "F2_Balance Circuit8.1" J3.5 | length 16.2
  Top Layer w0.8: J3.5@7.503,81.09 8.738,79.855 8.738,67.537 9.77,66.505 9.77,66.06 9.94,65.89
Vc9: "F2_Balance Circuit9.1" J3.4 | length 9.6
  Top Layer w0.8: J3.4@7.05,82.09 8.35,82.09 9.94,80.5 9.94,74.49
Vc10: "F2_Balance Circuit10.1" J3.3 | length 2.9
  Top Layer w0.8: J3.3@7.05,83.09 9.94,83.09
Vc11: "F2_Balance Circuit11.1" J3.2 | length 9.6
  Top Layer w0.8: J3.2@7.05,84.09 8.35,84.09 9.94,85.68 9.94,91.69
Vc12: "F2_Balance Circuit12.1" J3.1 | length 16.2
  Top Layer w0.8: J3.1@7.503,85.09 8.738,86.325 8.738,98.643 9.77,99.675 9.77,100.12 9.94,100.29
VREF1: C2.2 C3.2 TP1.1 U1.35 | length 2.8
  Top Layer w0.254: U1.35@39.05,58.2 41.6,58.2 41.775,58.375 C3.2@41.825,58.375
VREF2: "R25_NTC Sense1.2" "R25_NTC Sense2.2" "R25_NTC Sense3.2" "R25_NTC Sense4.2" "R25_NTC Sense5.2" "R25_NTC Sense6.2" "R25_NTC Sense7.2" "R25_NTC Sense8.2" "R25_NTC Sense9.2" "R25_NTC Sense10.2" "R25_NTC Sense11.2" "R25_NTC Sense12.2" "R25_NTC Sense13.2" "R25_NTC Sense14.2" "R25_NTC Sense15.2" "R25_NTC Sense16.2" C4.2 C5.2 TP2.1 U1.34 | length 30.9
  Top Layer w0.254: U1.34@39.05,57.7 41.506,57.7 41.602,57.604 41.602,57.598 41.775,57.425 C5.2@41.825,57.425
  Bottom Layer w0.203: v1(1.275,20.575) 1.825,20.575 2.675,21.425 ; v1(1.275,24.175) 1.825,24.175 2.675,25.025 ; v1(1.275,27.775) 1.825,27.775 2.675,28.625 ; v1(1.275,31.4) 1.825,31.4 2.675,32.25 ; v1(1.275,35) 1.825,35 2.675,35.85 ; v1(1.275,51) 1.825,51 2.675,51.85 ; v1(1.275,54.6) 1.825,54.6 2.675,55.45 ; v1(1.275,58.2) 1.825,58.2 2.675,59.05 ; v1(1.275,61.8) 1.825,61.8 2.675,62.65 ; v1(1.275,65.4) 1.825,65.4 2.675,66.25 ; v1(1.275,69) 1.825,69 2.675,69.85 ; v1(1.275,72.6) 1.825,72.6 2.675,73.45 ; v1(59.075,25.45) 59.625,25.45 60.475,26.3 ; v1(59.075,29.1) 59.625,29.1 60.475,29.95 ; v1(59.075,32.75) 59.625,32.75 60.475,33.6 ; v1(59.075,36.4) 59.625,36.4 60.475,37.25
  other v1: 35,57.55 36.25,57.55 37.5,57.55
WDT: R2.1 U1.39 | length 3.4
  Top Layer w0.152: U1.39@39.05,60.2 40.227,60.2 40.23,60.196 42.346,60.196 R2.1@42.45,60.3
pads on no net: J1.S1 J1.S2 J2.S1 J2.S2 J3.S1 J3.S2 J4.P1 J4.P2 T1. T1.2

## Polygon pours and split planes (outlines as drawn)
GND on Top Layer "NONET_L-01_P-001" (solid, remove dead copper, pour order 62): 4.7,6.025 8.95,6.025 8.95,2.025 4.7,2.025
"NetD2_Balance Circuit3_2" on Top Layer "NONET_L-01_P-001" (solid, remove dead copper, pour order 34): 15.575,22.59 17.975,22.59 20.575,25.19 20.575,26.89 16.275,26.89 15.575,26.19
B4 on Top Layer "Top Layer-B4" (solid, remove dead copper, pour order 67): 11.975,21.69 14.575,21.69 14.575,22.39 14.175,22.39 13.675,22.89 13.675,24.29 16.275,26.89 20.575,26.89 20.575,28.99 14.375,28.99 11.975,26.59 11.975,23.99
NetC1_2 on Top Layer "Top Layer-NetC9_2" (solid, remove dead copper, pour order 66): 33.15,96.35 38.15,96.35 38.15,96.85 38.65,97.35 38.65,101.6 30.225,101.6 28.7,100.075 28.7,98.575 31.35,98.575 31.35,96.85 33.15,96.85
VBat on Top Layer "NONET_L-01_P-001" (solid, remove dead copper, pour order 64): 26.525,101.975 34.4,101.975 34.4,106.3 12.523,106.3 12.523,101.39 13.675,101.39 16.275,104.29 26.525,104.29
VREF2 on Top Layer "NONET_L-01_P-001" (solid, remove dead copper, pour order 63): 34.25,57.05 39.5,57.05 39.5,58.05 34.25,58.05
"NetD2_Balance Circuit8_2" on Top Layer "NONET_L-01_P-001" (solid, remove dead copper, pour order 29): 15.575,65.59 17.975,65.59 20.575,68.19 20.575,69.89 16.275,69.89 15.575,69.19
B3 on Top Layer "NONET_L-01_P-001" (solid, remove dead copper, pour order 44): 11.975,15.39 11.975,13.09 14.575,13.09 14.575,13.79 14.175,13.79 13.675,14.29 13.675,15.39
B10 on Top Layer "NONET_L-01_P-001" (solid, remove dead copper, pour order 45): 11.975,75.59 11.975,73.29 14.575,73.29 14.575,73.99 14.175,73.99 13.675,74.49 13.675,75.59
B9 on Top Layer "NONET_L-01_P-001" (solid, remove dead copper, pour order 47): 11.975,66.99 11.975,64.69 14.575,64.69 14.575,65.39 14.175,65.39 13.675,65.89 13.675,66.99
B11 on Top Layer "NONET_L-01_P-001" (solid, remove dead copper, pour order 50): 20.575,89.19 20.575,87.09 16.275,87.09 13.675,84.49 13.675,84.19 11.975,84.19 11.975,86.79 14.375,89.19
B3 on Top Layer "NONET_L-01_P-001" (solid, remove dead copper, pour order 53): 20.575,20.39 20.575,18.29 16.275,18.29 13.675,15.69 13.675,15.39 11.975,15.39 11.975,17.99 14.375,20.39
B5 on Top Layer "NONET_L-01_P-001" (solid, remove dead copper, pour order 54): 20.575,37.59 20.575,35.49 16.275,35.49 13.675,32.89 13.675,32.59 11.975,32.59 11.975,35.19 14.375,37.59
B7 on Top Layer "NONET_L-01_P-001" (solid, remove dead copper, pour order 56): 20.575,54.79 20.575,52.69 16.275,52.69 13.675,50.09 13.675,49.79 11.975,49.79 11.975,52.39 14.375,54.79
B10 on Top Layer "NONET_L-01_P-001" (solid, remove dead copper, pour order 57): 20.575,80.59 20.575,78.49 16.275,78.49 13.675,75.89 13.675,75.59 11.975,75.59 11.975,78.19 14.375,80.59
B8 on Top Layer "NONET_L-01_P-001" (solid, remove dead copper, pour order 60): 20.575,63.39 20.575,61.29 16.275,61.29 13.675,58.69 13.675,58.39 11.975,58.39 11.975,60.99 14.375,63.39
"NetD2_Balance Circuit11_2" on Top Layer "NONET_L-01_P-001" (solid, remove dead copper, pour order 37): 15.575,91.39 17.975,91.39 20.575,93.99 20.575,95.69 16.275,95.69 15.575,94.99
"NetD2_Balance Circuit9_2" on Top Layer "NONET_L-01_P-001" (solid, remove dead copper, pour order 36): 15.575,74.19 17.975,74.19 20.575,76.79 20.575,78.49 16.275,78.49 15.575,77.79
"NetD2_Balance Circuit1_2" on Top Layer "NONET_L-01_P-001" (solid, remove dead copper, pour order 35): 15.575,5.39 17.975,5.39 20.575,7.99 20.575,9.69 16.275,9.69 15.575,8.99
"NetD2_Balance Circuit6_2" on Top Layer "NONET_L-01_P-001" (solid, remove dead copper, pour order 33): 15.575,48.39 17.975,48.39 20.575,50.99 20.575,52.69 16.275,52.69 15.575,51.99
"NetD2_Balance Circuit4_2" on Top Layer "NONET_L-01_P-001" (solid, remove dead copper, pour order 32): 15.575,31.19 17.975,31.19 20.575,33.79 20.575,35.49 16.275,35.49 15.575,34.79
"NetD2_Balance Circuit5_2" on Top Layer "NONET_L-01_P-001" (solid, remove dead copper, pour order 31): 15.575,39.79 17.975,39.79 20.575,42.39 20.575,44.09 16.275,44.09 15.575,43.39
"NetD2_Balance Circuit10_2" on Top Layer "NONET_L-01_P-001" (solid, remove dead copper, pour order 30): 15.575,82.79 17.975,82.79 20.575,85.39 20.575,87.09 16.275,87.09 15.575,86.39
"NetD2_Balance Circuit2_2" on Top Layer "NONET_L-01_P-001" (solid, remove dead copper, pour order 28): 15.575,13.99 17.975,13.99 20.575,16.59 20.575,18.29 16.275,18.29 15.575,17.59
"NetD2_Balance Circuit7_2" on Top Layer "NONET_L-01_P-001" (solid, remove dead copper, pour order 27): 15.575,56.99 17.975,56.99 20.575,59.59 20.575,61.29 16.275,61.29 15.575,60.59
"NetD2_Balance Circuit12_2" on Top Layer "NONET_L-01_P-001" (solid, remove dead copper, pour order 26): 15.575,99.99 17.975,99.99 20.575,102.59 20.575,104.29 16.275,104.29 15.575,103.59
B11 on Top Layer "NONET_L-01_P-001" (solid, remove dead copper, pour order 49): 11.975,84.19 11.975,81.89 14.575,81.89 14.575,82.59 14.175,82.59 13.675,83.09 13.675,84.19
B6 on Top Layer "NONET_L-01_P-001" (solid, remove dead copper, pour order 48): 11.975,41.19 11.975,38.89 14.575,38.89 14.575,39.59 14.175,39.59 13.675,40.09 13.675,41.19
T12 on Top Layer "NONET_L-01_P-001" (solid, remove dead copper, pour order 46): 11.975,101.39 11.975,99.09 14.575,99.09 14.575,99.79 14.175,99.79 13.675,100.29 13.675,101.39
B2 on Top Layer "NONET_L-01_P-001" (solid, remove dead copper, pour order 43): 11.975,6.79 11.975,4.49 14.575,4.49 14.575,5.19 14.175,5.19 13.675,5.69 13.675,6.79
B8 on Top Layer "NONET_L-01_P-001" (solid, remove dead copper, pour order 42): 11.975,58.39 11.975,56.09 14.575,56.09 14.575,56.79 14.175,56.79 13.675,57.29 13.675,58.39
B7 on Top Layer "NONET_L-01_P-001" (solid, remove dead copper, pour order 41): 11.975,49.79 11.975,47.49 14.575,47.49 14.575,48.19 14.175,48.19 13.675,48.69 13.675,49.79
B12 on Top Layer "NONET_L-01_P-001" (solid, remove dead copper, pour order 40): 11.975,92.79 11.975,90.49 14.575,90.49 14.575,91.19 14.175,91.19 13.675,91.69 13.675,92.79
B5 on Top Layer "NONET_L-01_P-001" (solid, remove dead copper, pour order 38): 11.975,32.59 11.975,30.29 14.575,30.29 14.575,30.99 14.175,30.99 13.675,31.49 13.675,32.59
B6 on Top Layer "NONET_L-01_P-001" (solid, remove dead copper, pour order 59): 20.575,46.19 20.575,44.09 16.275,44.09 13.675,41.49 13.675,41.19 11.975,41.19 11.975,43.79 14.375,46.19
B12 on Top Layer "NONET_L-01_P-001" (solid, remove dead copper, pour order 58): 20.575,97.79 20.575,95.69 16.275,95.69 13.675,93.09 13.675,92.79 11.975,92.79 11.975,95.39 14.375,97.79
B9 on Top Layer "NONET_L-01_P-001" (solid, remove dead copper, pour order 55): 20.575,71.99 20.575,69.89 16.275,69.89 13.675,67.29 13.675,66.99 11.975,66.99 11.975,69.59 14.375,71.99
B2 on Top Layer "NONET_L-01_P-001" (solid, remove dead copper, pour order 51): 20.575,11.79 20.575,9.69 16.275,9.69 13.675,7.09 13.675,6.79 11.975,6.79 11.975,9.39 14.375,11.79
Vc0 on Top Layer "NONET_L-01_P-001" (solid, remove dead copper, pour order 61): 6.2,12.74 6.2,7.19 8.95,7.19 8.95,12.74
5V0 on Top Layer "NONET_L-01_P-001" (solid, pour order 24): 33.325,95.2 33.325,93.725 33.075,93.475 33.075,92.475 36.55,92.475 36.55,95.2
GND on Int1 (GND) (split plane): 53.49,0.51 0.51,0.51 0.51,105.79 53.49,105.79
5V0 on Int2 (PWR) (split plane): 53.49,0.51 0.51,0.51 0.51,19.075 23.826,19.075 23.846,19.079 23.862,19.09 26.036,21.264 26.047,21.28 26.051,21.3 26.051,51.779 31.021,56.749 39.5,56.749 39.52,56.753 39.536,56.764 40.036,57.264 40.047,57.28 40.051,57.3 40.051,57.8 40.047,57.82 40.036,57.836 39.536,58.336 39.52,58.347 39.5,58.351 31.021,58.351 26.051,63.321 26.051,105.79 53.49,105.79
VREF2 on Int2 (PWR) (split plane): 25.949,63.3 25.953,63.28 25.964,63.264 30.964,58.264 30.98,58.253 31,58.249 39.479,58.249 39.949,57.779 39.949,57.321 39.479,56.851 31,56.851 30.98,56.847 30.964,56.836 25.964,51.836 25.953,51.82 25.949,51.8 25.949,21.321 23.805,19.177 0.51,19.177 0.51,105.79 25.949,105.79

## Other copper
Int2 (PWR) (plane layer: these items are gaps in the copper):
  lines w0.1: 0.114,19.126 23.826,19.126 26,21.3 26,51.8 31,56.8 39.5,56.8 40,57.3 40,57.8 39.5,58.3 31,58.3 26,63.3 26,105.8

## Silkscreen, mask and mechanical layers (free items; w line width, h text height)
Top Overlay:
  text "ASK DAN / - Routing Thermistor ADC undernearth balance circuit / - Routing sense and gate drive so close to eachother / - Differential routing" at 65.75,102.8 h3
  text ".ProjectTitle / .Version" at 32,1.9 h3
Mechanical Aid:
  lines w0.1: -9.5,-9.2 -9.5,240.6 -0.2,240.6
  lines w0.2: -9.5,-9.2 241,-9.2 241,240.6 -0.2,240.6 ; 273.5,168.65 cw(c273.5,178.05) 273.5,187.45 273.5,189.65 cw(c273.5,199.05) 273.5,208.45 273.5,210.65 cw(c273.5,220.05) 273.5,229.45 273.5,231.65 cw(c273.5,241.05) 273.5,250.45 273.5,252.65 cw(c273.5,262.05) 273.5,271.45 273.5,273.65 cw(c273.5,283.05) 273.5,292.45 273.5,294.65 cw(c273.5,304.05) 273.5,313.45 273.5,315.65 cw(c273.5,325.05) 273.5,334.45 273.5,336.65 cw(c273.5,346.05) 273.5,355.45 273.5,357.65 cw(c273.5,367.05) 273.5,376.45 273.5,378.65 cw(c273.5,388.05) 273.5,397.45 273.5,399.65 cw(c273.5,409.05) 273.5,418.45
Board Shape:
  the board outline again, w0.1

## Text inside footprints (layer, text, board x,y; h text height)
aaa1: Top Overlay "TRACTIVE / VOLTAGE" at 184.95,64.725 h3